# Altium PCB PCB_1.PcbDoc (part 1 of 2)
Units mm, origin at the board's own origin, x right, y up, seen from the top; angles counter-clockwise.
Board outline 160 x 120 mm, 2 copper layers (Top Layer, Bottom Layer), stack 1.671 mm thick; 157 components, 129 nets, 509 pads, 147 vias.
Unrouted connection lines stored in the file: 9.
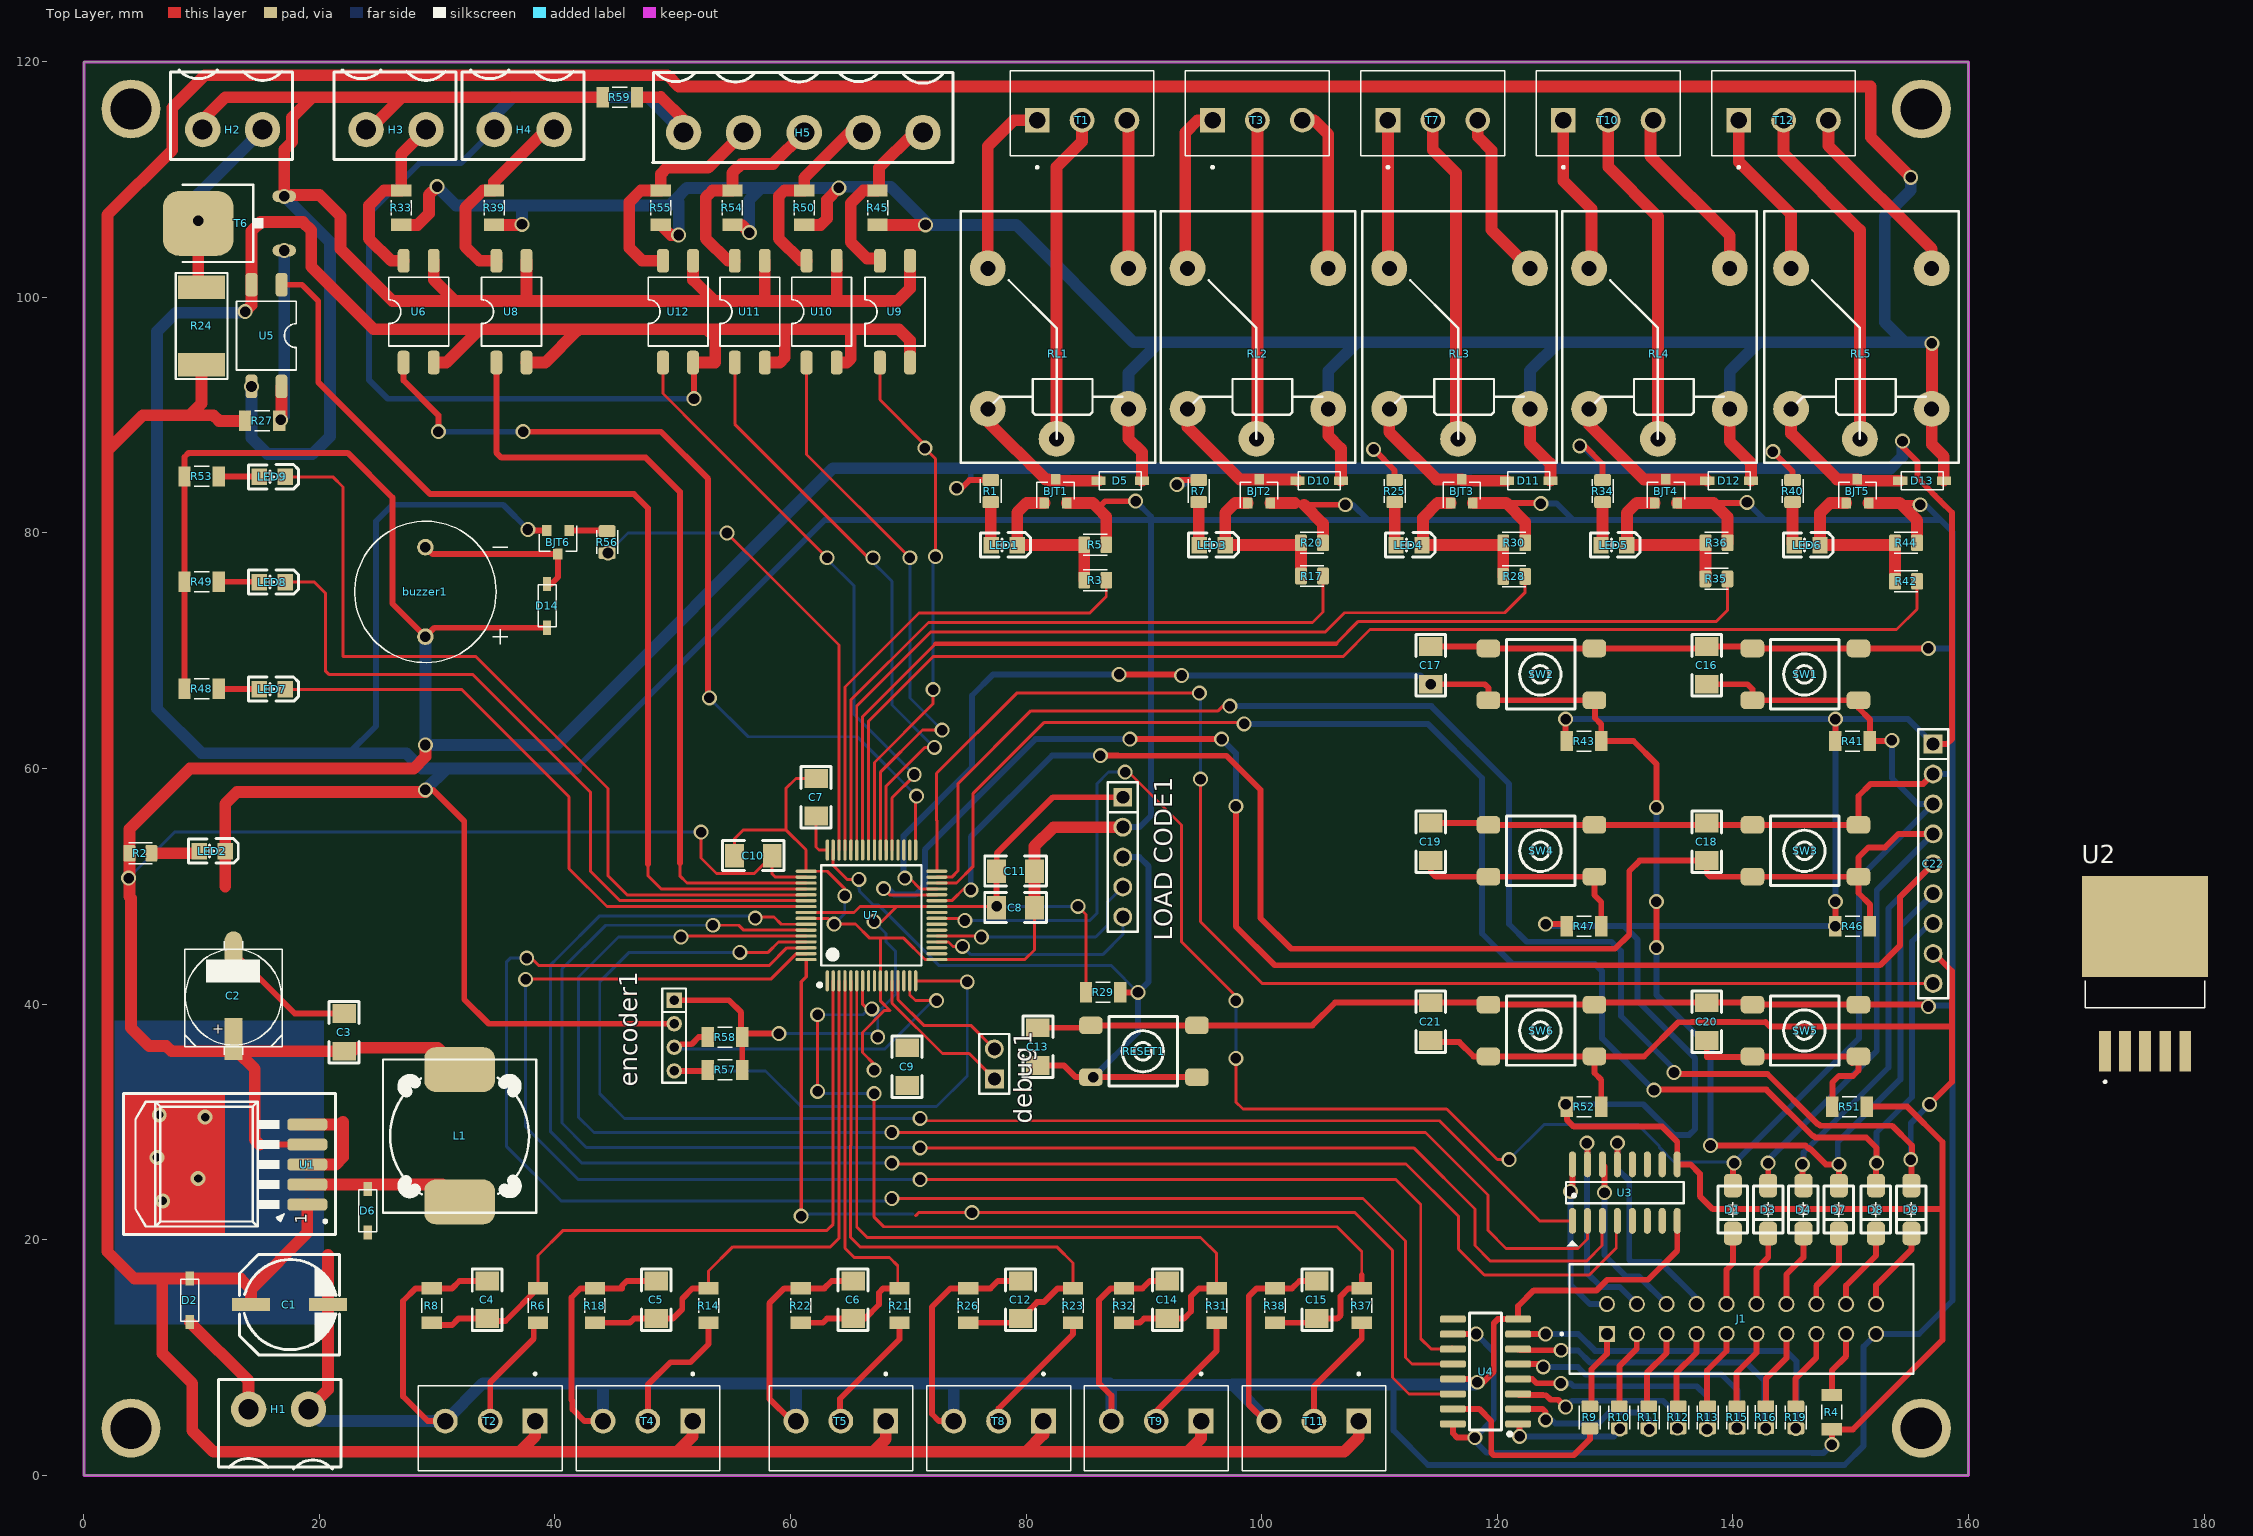
[diagram p0: Top Layer view]
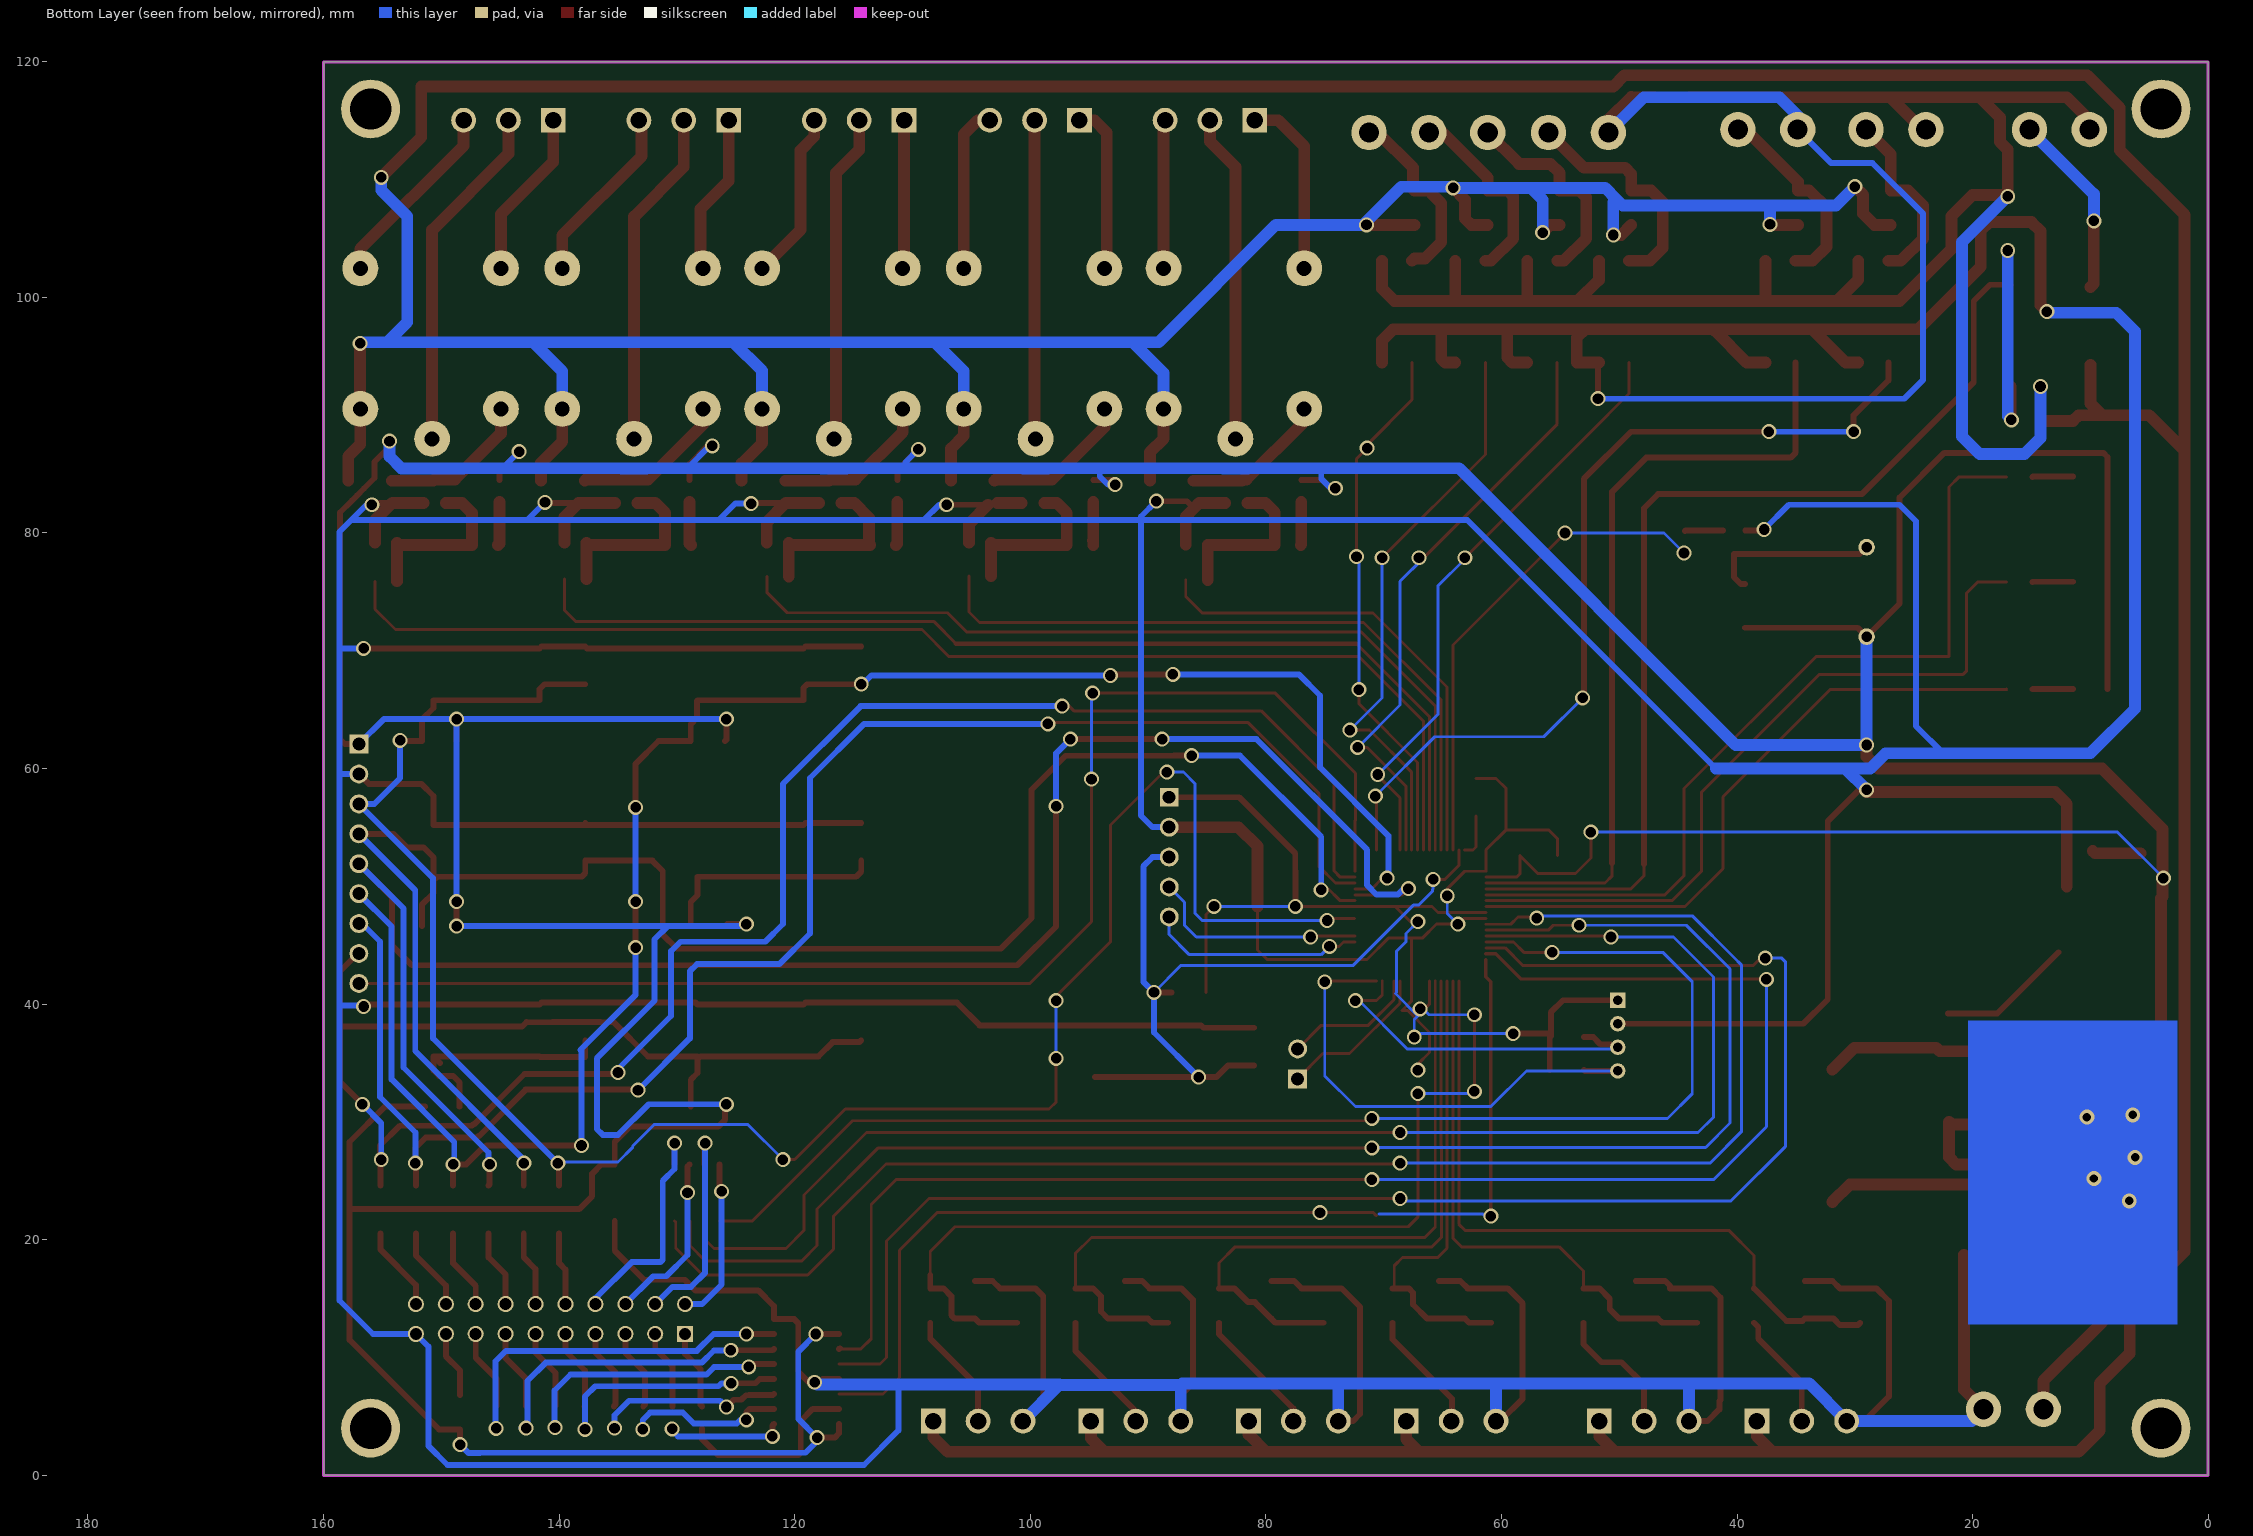
[diagram p1: Bottom Layer view, seen from below]
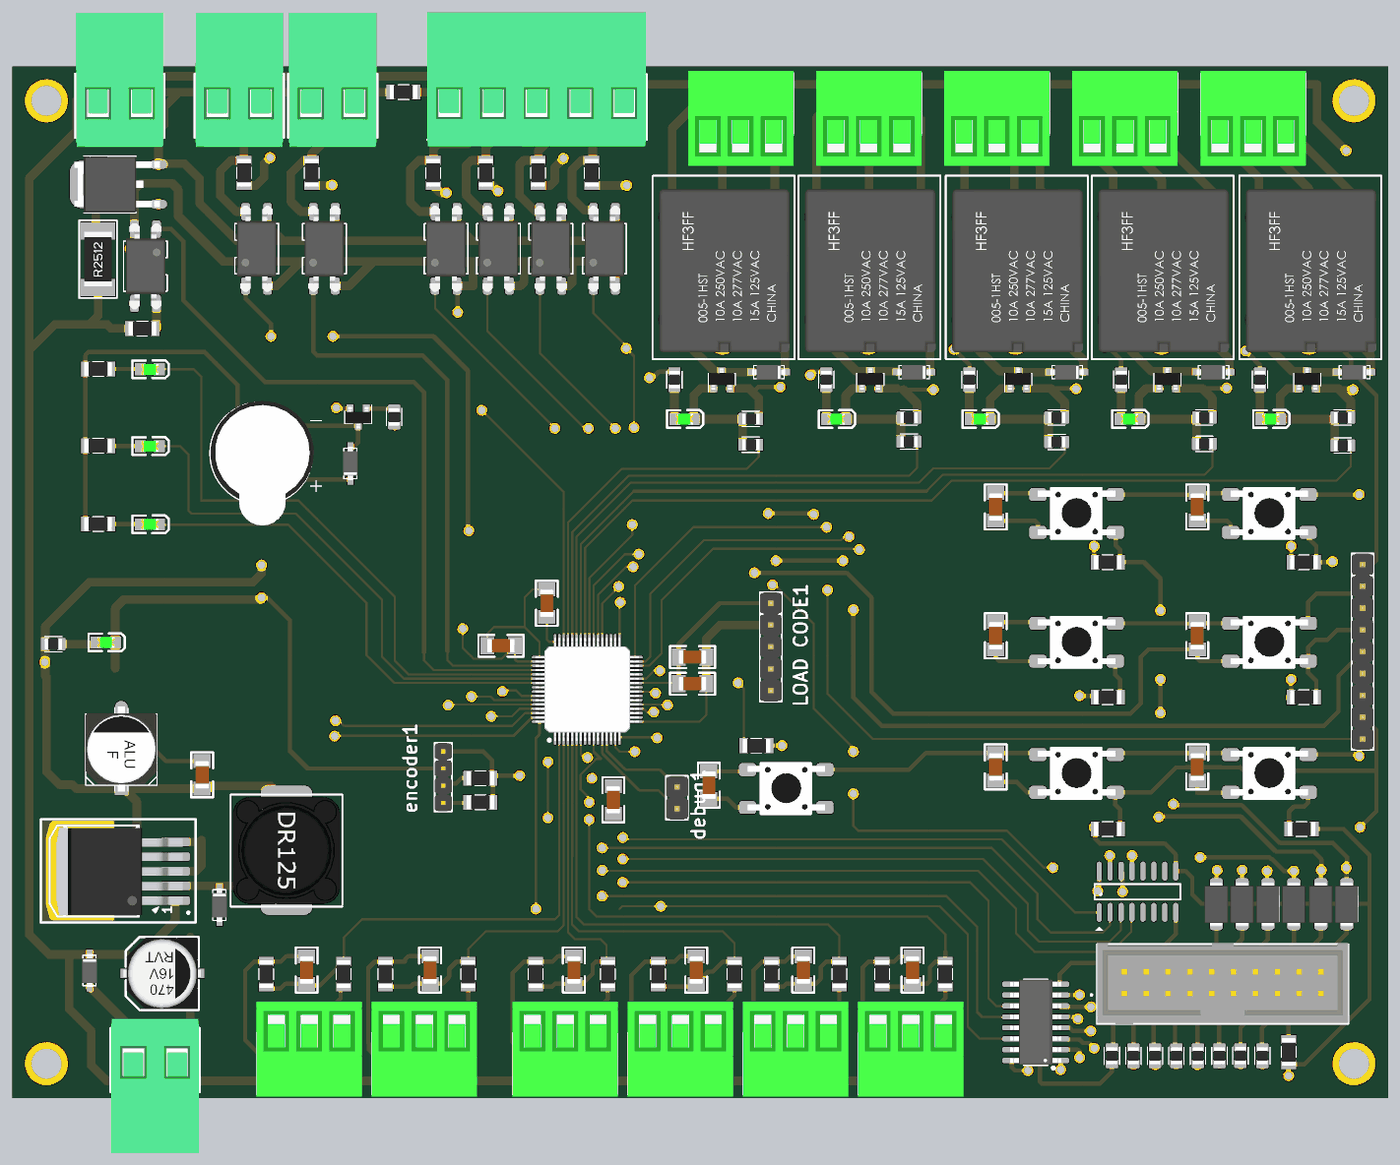
[diagram p3: 3D render of the assembled board from above, using the file's embedded part models]

## Layer stack, top to bottom
Top Solder: solder mask 0.0102, Solder Resist, Dk 3.5
Top Layer: signal copper 0.0356
Dielectric 1: dielectric 1.6, FR-4, Dk 4.8
Bottom Layer: signal copper 0.0356
Bottom Solder: solder mask 0.0102, Solder Resist, Dk 3.5

## Board outline
0,0 0,120 160,120 160,0

## Design rules (kind name [scope] priority, off if disabled: settings)
Clearance [All] p1: gap=0.5
PolygonConnect [All] p1: connectstyle=Relief reliefconductorwidth=0.5 reliefentries=2 polygonreliefangle="90 Angle" airgapwidth=0.5
RoutingVias [All] p1: holewidth=0.9 width=1.27 viastyle="Through Hole" minholewidth=0.8 minwidth=1.27 maxholewidth=1 maxwidth=1.27
SolderMaskExpansion [All] p1: expansion=0.102
Width [All] p1: maxlimit=3 minlimit=0.25 preferedwidth=1
30 further rules are at their usual default settings.

## Components (designator, comment, footprint, x,y, rotation, side; value= is the part's Value field where it differs from the comment)
BJT1 "NPN-SOT23" SOT-23 82.5,83.551 r0 top
BJT2 "NPN-SOT23" SOT-23 99.772,83.551 r0 top
BJT3 "NPN-SOT23" SOT-23 116.98,83.551 r0 top
BJT4 "NPN-SOT23" SOT-23 134.316,83.551 r0 top
BJT5 "NPN-SOT23" SOT-23 150.572,83.551 r0 top
BJT6 "NPN-SOT23" SOT-23 40.247,79.215 r180 top
buzzer1 "buzzer-5V-4-R" "buzzer 5V" 29,75 r180 top
C1 "35V330uF" "CAP POLY 220UF 16V" 17.456,14.484 r180 top
C2 "1000uF/16V" CAP-ALU-SMD-F 12.7,40.6 r90 top
C3 "Cap_SMD" CAP_SMD_1206 22.1,37.6 r270 top
C4 "Cap_SMD" CAP_SMD_1206 34.245,14.894 r270 top
C5 "Cap_SMD" CAP_SMD_1206 48.596,14.894 r270 top
C6 "Cap_SMD" CAP_SMD_1206 65.312,14.894 r270 top
C7 "Cap_SMD" CAP_SMD_1206 62.169,57.566 r90 top
C8 "Cap_SMD" CAP_SMD_1206 79.1,48.2 r0 top
C9 "Cap_SMD" CAP_SMD_1206 69.9,34.7 r270 top
C10 "Cap_SMD" CAP_SMD_1206 56.835,52.613 r180 top
C11 "Cap_SMD" CAP_SMD_1206 79.1,51.3 r0 top
C12 "Cap_SMD" CAP_SMD_1206 79.536,14.894 r270 top
C13 "Cap_SMD" CAP_SMD_1206 81,36.395 r270 top
C14 "Cap_SMD" CAP_SMD_1206 91.982,14.894 r270 top
C15 "Cap_SMD" CAP_SMD_1206 104.682,14.894 r270 top
C16 "Cap_SMD" CAP_SMD_1206 137.782,68.758 r270 top
C17 "Cap_SMD" CAP_SMD_1206 114.351,68.758 r270 top
C18 "Cap_SMD" CAP_SMD_1206 137.782,53.779 r270 top
C19 "Cap_SMD" CAP_SMD_1206 114.351,53.779 r270 top
C20 "Cap_SMD" CAP_SMD_1206 137.782,38.52 r270 top
C21 "Cap_SMD" CAP_SMD_1206 114.351,38.52 r270 top
C22 "JP9" JP9-D1T 157,62.08 r270 top
D1 "1N4007" "Diode M7" 140,22.562 r270 top
D2 "1N4148" SOD-123 15.858,14.635 r270 top
D3 "1N4007" "Diode M7" 143,22.562 r270 top
D4 "1N4007" "Diode M7" 146,22.562 r270 top
D5 "1N4148" SOD-123 87.775,77.576 r180 top
D6 "1N4148" SOD-123 30.958,22.235 r270 top
D7 "1N4007" "Diode M7" 149,22.562 r270 top
D8 "1N4007" "Diode M7" 152.148,22.562 r270 top
D9 "1N4007" "Diode M7" 155.156,22.562 r270 top
D10 "1N4148" SOD-123 104.666,77.576 r180 top
D11 "1N4148" SOD-123 122.446,77.576 r180 top
D12 "1N4148" SOD-123 139.464,77.576 r180 top
D13 "1N4148" SOD-123 155.847,77.576 r180 top
D14 "1N4148" SOD-123 32.472,74.024 r90 top
debug1 "JP2" JP2-D1T 77.3,33.66 r90 top
encoder1 "JP4x1-2.0" J4-D1T 50.119,37.334 r270 top
H1 "Terminal2x5.08" EDG2P508 16.316,4.21 r0 top
H2 "Terminal2x5.08" EDG2P508 12.846,115.645 r180 top
H3 "Terminal2x5.08" EDG2P508 26.721,115.645 r180 top
H4 "Terminal2x5.08" EDG2P508 37.597,115.645 r180 top
H5 "Terminal5x5.08" EDG5P508 61.286,114.373 r180 top
J1 "JTAG 10x2" JTAG 129.3,12 r0 top
L1 "Inductor DR127" "Inductor DR127" 31.9,28.8 r270 top
LED1 "LED_SMD" LED_SMD_0805 78.246,78.979 r0 top
LED2 "LED_SMD" LED_SMD_0805 11,53 r0 top
LED3 "LED_SMD" LED_SMD_0805 95.9,78.979 r0 top
LED4 "LED_SMD" LED_SMD_0805 112.6,78.979 r0 top
LED5 "LED_SMD" LED_SMD_0805 130,78.979 r0 top
LED6 "LED_SMD" LED_SMD_0805 146.4,78.979 r0 top
LED7 "LED_SMD" LED_SMD_0805 16.102,66.737 r0 top
LED8 "LED_SMD" LED_SMD_0805 16.102,75.833 r0 top
LED9 "LED_SMD" LED_SMD_0805 16.102,84.769 r0 top
"LOAD CODE1" "JP5" JP5-D1T 88.204,57.566 r270 top
R1 "Res_SMD" Res_SMD_0805 76.996,83.561 r90 top
R2 "Res_SMD" Res_SMD_0805 4.799,52.803 r180 top
R3 "Res_SMD" Res_SMD_0805 85.868,76 r0 top
R4 "Res_SMD" Res_SMD_1206 148.4,5.36 r90 top
R5 "Res_SMD" Res_SMD_0805 85.868,79 r180 top
R6 "Res_SMD" Res_SMD_1206 38.563,14.412 r90 top
R7 "Res_SMD" Res_SMD_0805 94.649,83.561 r90 top
R8 "Res_SMD" Res_SMD_1206 29.546,14.412 r90 top
R9 "Res_SMD" Res_SMD_0805 127.861,4.92 r270 top
R10 "Res_SMD" Res_SMD_0805 130.359,4.92 r270 top
R11 "Res_SMD" Res_SMD_0805 132.858,4.92 r270 top
R12 "Res_SMD" Res_SMD_0805 135.356,4.92 r270 top
R13 "Res_SMD" Res_SMD_0805 137.854,4.92 r270 top
R14 "Res_SMD" Res_SMD_1206 53.041,14.412 r90 top
R15 "Res_SMD" Res_SMD_0805 140.353,4.92 r270 top
R16 "Res_SMD" Res_SMD_0805 142.8,4.935 r270 top
R17 "Res_SMD" Res_SMD_0805 104.265,76.348 r0 top
R18 "Res_SMD" Res_SMD_1206 43.389,14.412 r90 top
R19 "Res_SMD" Res_SMD_0805 145.35,4.92 r270 top
R20 "Res_SMD" Res_SMD_0805 104.265,79.164 r180 top
R21 "Res_SMD" Res_SMD_1206 69.249,14.412 r90 top
R22 "Res_SMD" Res_SMD_1206 60.867,14.412 r90 top
R23 "Res_SMD" Res_SMD_1206 83.981,14.412 r90 top
R24 "Res_SMD" RES_SMD_2512 10,97.579 r90 top
R25 "Res_SMD" Res_SMD_0805 111.286,83.561 r90 top
R26 "Res_SMD" Res_SMD_1206 75.091,14.412 r90 top
R27 "Res_SMD" Res_SMD_1206 15.144,89.52 r180 top
R28 "Res_SMD" Res_SMD_0805 121.434,76.312 r0 top
R29 "Res_SMD" Res_SMD_1206 86.54,41 r0 top
R30 "Res_SMD" Res_SMD_0805 121.434,79.164 r180 top
R31 "Res_SMD" Res_SMD_1206 96.173,14.412 r90 top
R32 "Res_SMD" Res_SMD_1206 88.299,14.412 r90 top
R33 "Res_SMD" Res_SMD_1206 26.953,107.617 r270 top
R34 "Res_SMD" Res_SMD_0805 128.939,83.561 r90 top
R35 "Res_SMD" Res_SMD_0805 138.6,76.1 r0 top
R36 "Res_SMD" Res_SMD_0805 138.617,79.164 r180 top
R37 "Res_SMD" Res_SMD_1206 108.492,14.412 r90 top
R38 "Res_SMD" Res_SMD_1206 101.126,14.412 r90 top
R39 "Res_SMD" Res_SMD_1206 34.827,107.617 r270 top
R40 "Res_SMD" Res_SMD_0805 145.068,83.561 r90 top
R41 "Res_SMD" Res_SMD_1206 150.165,62.336 r0 top
R42 "Res_SMD" Res_SMD_0805 154.7,75.9 r0 top
R43 "Res_SMD" Res_SMD_1206 127.369,62.336 r0 top
R44 "Res_SMD" Res_SMD_0805 154.7,79.164 r180 top
R45 "Res_SMD" Res_SMD_1206 67.386,107.617 r270 top
R46 "Res_SMD" Res_SMD_1206 150.165,46.62 r0 top
R47 "Res_SMD" Res_SMD_1206 127.369,46.62 r0 top
R48 "Res_SMD" Res_SMD_1206 10.006,66.77 r0 top
R49 "Res_SMD" Res_SMD_1206 10.006,75.866 r0 top
R50 "Res_SMD" Res_SMD_1206 61.163,107.617 r270 top
R51 "Res_SMD" Res_SMD_1206 149.904,31.285 r180 top
R52 "Res_SMD" Res_SMD_1206 127.369,31.285 r0 top
R53 "Res_SMD" Res_SMD_1206 10.006,84.802 r0 top
R54 "Res_SMD" Res_SMD_1206 55.067,107.617 r270 top
R55 "Res_SMD" Res_SMD_1206 48.971,107.617 r270 top
R56 "Res_SMD" Res_SMD_0805 44.422,79.225 r270 top
R57 "Res_SMD" Res_SMD_1206 54.437,34.413 r0 top
R58 "Res_SMD" Res_SMD_1206 54.437,37.207 r0 top
R59 "Res_SMD" Res_SMD_1206 45.5,117 r0 top
RESET1 "Button6x6" Button6x6smd 90,36 r0 top
RL1 "ReLay12V" "Relay 12V" 82.711,96.632 r0 top
RL2 "ReLay12V" "Relay 12V" 99.678,96.632 r0 top
RL3 "ReLay12V" "Relay 12V" 116.798,96.632 r0 top
RL4 "ReLay12V" "Relay 12V" 133.765,96.632 r0 top
RL5 "ReLay12V" "Relay 12V" 150.91,96.632 r0 top
SW1 "Button6x6" Button6x6smd 146.164,68 r0 top
SW2 "Button6x6" Button6x6smd 123.749,68 r0 top
SW3 "Button6x6" Button6x6smd 146.164,53.021 r0 top
SW4 "Button6x6" Button6x6smd 123.749,53.021 r0 top
SW5 "Button6x6" Button6x6smd 146.164,37.762 r0 top
SW6 "Button6x6" Button6x6smd 123.749,37.762 r0 top
T1 "Terminal B 3P" Terminal-3p-381 84.743,115.087 r0 top
T2 "Terminal B 3P" Terminal-3p-381 34.504,4.567 r180 top
T3 "Terminal B 3P" Terminal-3p-381 99.632,115.087 r0 top
T4 "Terminal B 3P" Terminal-3p-381 47.89,4.567 r180 top
T5 "Terminal B 3P" Terminal-3p-381 64.276,4.567 r180 top
T6 "TIP41C" TO252 9.715,106.284 r90 top
T7 "Terminal B 3P" Terminal-3p-381 114.522,115.087 r0 top
T8 "Terminal B 3P" Terminal-3p-381 77.661,4.567 r180 top
T9 "Terminal B 3P" Terminal-3p-381 91.047,4.567 r180 top
T10 "Terminal B 3P" Terminal-3p-381 129.411,115.087 r0 top
T11 "Terminal B 3P" Terminal-3p-381 104.433,4.567 r180 top
T12 "Terminal B 3P" Terminal-3p-381 144.301,115.087 r0 top
U1 "LM2576" TO263 13,26 r90 top
U2 "LM2576" LM2576-5.0 175,46.6 r90 top
U3 "ULN2003A" SO-16 130.829,24 r90 top
U4 "74HC595" Sop16pin 119,8.622 r180 top
U5 "PC817" PC817 15.768,96.759 r270 top
U6 "PC817" PC817 28.165,98.791 r90 top
U7 "CY8C4247" TQFP64 66.868,47.533 r90 top
U8 "PC817" PC817 36.039,98.791 r90 top
U9 "PC817" PC817 68.598,98.791 r90 top
U10 "PC817" PC817 62.375,98.791 r90 top
U11 "PC817" PC817 56.279,98.791 r90 top
U12 "PC817" PC817 50.183,98.791 r90 top

## Footprints (in the part's own frame and the unit in brackets; to place one, negate y for a bottom-side part, rotate by r counter-clockwise, add the part's x,y. Pads: shape width x height; smd on the part's side, far side on the other; paste and mask are expansions set on the pad)
Button6x6smd [mm] "key smd"
  rrect50% 2x1.5 smd: 1(4.5,-2.2) 2(-4.5,-2.2) 3(4.5,2.2) 4(-4.5,2.2)
  Top Layer pour cut-out: -6,3.5 6,3.5 6,-3.5 -6,-3.5
  silkscreen extent -2.95,-2.95 2.85,2.95, body extent -4.5,-2.95 4.5,3.05, height 4.3
"buzzer 5V" [mm] "buzzer-AI-1223-TWT-5V-4-R"
  round 1.408 hole 0.9: N(0,-3.8) P(0,3.8)
  silkscreen extent -6.98,-6 6,6, body extent -6.1,-6.11 5.9,8.39, height 10.05
"CAP POLY 220UF 16V" [mm] "CAPACITOR POLYMER 220UF 16V 8X9MM SMD"
  rect 3.2x1.1 smd: 1(3.264,-0.013) 2(-3.264,-0.013)
  silkscreen extent -4.23,-4.25 4.24,4.25, body extent -4.5,-4.15 4.5,4.15, height 10.7
CAP-ALU-SMD-F [mil]
  rect 140x59.06 smd: 1(-140,0)
  oval 140x59.06 smd: 2(150,0)
  silkscreen extent -192,-163 187,163, body extent -195,-163 195,163, height 402
CAP_SMD_1206 [mm] "cap smd 1206"
  rect 1.6x2 smd: 1(-1.605,0) 2(1.595,0)
  Top Layer pour cut-out: -0.8,0.9 0.8,0.9 0.8,-0.9 -0.8,-0.9
  silkscreen extent -2.62,-1.27 2.62,1.27, body extent -1.6,-0.8 1.6,0.8, height 1.22
"Diode M7" [mil] "diode reflectifer"
  rrect50% 78.74x60 smd: 1(-80,0) 2(80,0)
  Top Layer pour cut-out: -39.37,27.56 -39.37,-27.56 39.37,-27.56 39.37,27.56
  silkscreen extent -78,-50 79,49, body extent -101,-54 104,53, height 106
EDG2P508 [mm] "edg 2 pins 5.08mm"
  round 3 hole 1.7: 1(-2.327,1.397) 2(2.753,1.397)
  silkscreen extent -4.87,-3.68 5.5,3.94, body extent -4.76,-10.6 5.4,5, height 21.08
EDG5P508 [mm] "edg 5pins 5.08mm"
  round 3 hole 1.7: 1(-9.954,0.373) 2(-4.874,0.373) 3(0.125,0.373) 4(5.286,0.373) 5(10.366,0.373)
  silkscreen extent -12.49,-4.71 13,2.91, body extent -12.4,-11.9 13,3.71, height 21.08
"Inductor DR127" [mm] "Ind 12.5x12.5 mm"
  rrect50% 3.8x6 smd: 1(-5.646,0.006) 2(5.588,0)
  Top Layer pour cut-out: -7.6,3.1 -7.6,-3.1 7.7,-3.1 7.7,2.9 7.5,3.1
  silkscreen extent -6.5,-6.5 6.53,6.5, body extent -6.25,-6.25 6.25,6.25, height 8
J4-D1T [mm] "4 pins, 1 row, straight, gold plating"
  rect 1.3x1.3 hole 0.8: 1(-3,0)
  round 1.3 hole 0.8: 2(-1,0) 3(1,0) 4(3,0)
  silkscreen extent -4,-1 4,1, body extent -4,-1 4,1, height 6.01
JP2-D1T [mm] "2 pins, 1 row, straight, gold plating"
  rect 1.6x1.6 hole 1.1: 1(0,0)
  round 1.6 hole 1.1: 2(2.54,0)
  silkscreen extent -1.27,-1.27 3.81,1.27, body extent -1.27,-1.27 3.81,1.27, height 8.54
JP5-D1T [mm] "5 pins, 1 row, straight, gold plating"
  rect 1.6x1.6 hole 1.1: 1(0,0)
  round 1.6 hole 1.1: 2(2.54,0) 3(5.08,0) 4(7.62,0) 5(10.16,0)
  silkscreen extent -1.27,-1.27 11.43,1.27, body extent -1.27,-1.27 11.43,1.27, height 8.54
JP9-D1T [mm] "9 pins, 1 row, straight, gold plating"
  rect 1.6x1.6 hole 1.1: 1(0,0)
  round 1.6 hole 1.1: 2(2.54,0) 3(5.08,0) 4(7.62,0) 5(10.16,0) 6(12.7,0) 7(15.24,0) 8(17.78,0) 9(20.32,0)
  silkscreen extent -1.27,-1.27 21.59,1.27, body extent -1.27,-1.27 21.59,1.27, height 8.54
JTAG [mm] "JTAG 10x2"
  rect 1.37x1.37 hole 1.02: 01(0,0)
  round 1.37 hole 1.02: 02(0,2.54) 03(2.54,0) 04(2.54,2.54) 05(5.08,0) 06(5.08,2.54) 07(7.62,0) 08(7.62,2.54) 09(10.16,0) 10(10.16,2.54) 11(12.7,0) 12(12.7,2.54) 13(15.24,0) 14(15.24,2.54) 15(17.78,0) 16(17.78,2.54) 17(20.32,0) 18(20.32,2.54) 19(22.86,0) 20(22.86,2.54)
  silkscreen extent -3.92,-3.36 26.04,5.9, body extent -3.17,-3.43 26.04,6.05, height 8.89
LED_SMD_0805 [mm] "led smd 0805"
  rect 1.3x1.4 smd: 1(-1.2,0) 2(1,0)
  Top Layer pour cut-out: 0.4,-0.7 -0.6,-0.7 -0.6,0.7 0.4,0.7
  silkscreen extent -2.11,-1.01 2.11,1.04, body extent -1.09,-0.63 0.91,0.62, height 1.1
LM2576-5.0 [mm] "IC buck 5.0 Volt"
  rect 3.4x1 smd paste-3 mask+0: 1(-10.6,3.4) 2(-10.6,1.7) 3(-10.6,0) 4(-10.6,-1.7) 5(-10.6,-3.4)
  rect 8.6x10.7 smd paste-6 mask+0: 6(0,0)
  Top Layer pour cut-out: -12.3,3.9 3.8,3.9 3.9,3.8 3.9,-3.8 -12.3,-3.8
  silkscreen extent -13.3,-5.08 -4.62,5.08, body extent -10.94,-5.21 3.43,5.21, height 4.65
PC817 [mm] "IC OPTO isolation"
  rrect50% 2x1 smd: 1(-4.318,1.016) 2(-4.318,-1.537) 3(4.318,-1.537) 4(4.318,1.016)
  Top Layer pour cut-out: -5.4,1.6 5.4,1.6 5.4,-2.1 -5.4,-2.1
  silkscreen extent -2.92,-2.81 2.92,2.27, body extent -5,-2.54 5,2.04, height 3.85
"Relay 12V" [mil] "Relay 5 pins 12V"
  round 120 hole 50: 1(-5,-340) 2(235,230) 3(-235,230) 4(-235,-240) 5(235,-240)
  silkscreen extent -325,-420 325,420, body extent -295,-390 303,358, height 591
Res_SMD_0805 [mm] "res smd 0805"
  rrect25% 1x1.42 smd: 1(-0.935,0) 2(0.935,0)
  Top Layer pour cut-out: -0.4,0.7 0.4,0.7 0.4,-0.7 -0.4,-0.7
  silkscreen extent -1,-0.89 1,0.89, body extent -1,-0.62 1,0.63, height 0.6
Res_SMD_1206 [mm] "res smd 1206"
  rect 1.05x1.72 smd: 1(-1.46,0) 2(1.46,0)
  Top Layer pour cut-out: -0.9,0.8 0.9,0.8 0.9,-0.8 -0.9,-0.8
  silkscreen extent -0.62,-0.85 0.62,0.85, body extent -1.6,-0.8 1.6,0.8, height 0.6
RES_SMD_2512 [mm] "Resistor 2512 SMD"
  rect 2x4 smd: 1(-3.302,0) 2(3.302,0)
  silkscreen extent -4.5,-2.2 4.5,2.2, body extent -3.17,-1.6 3.18,1.6, height 0.55
SO-16 [mm] "SOIC, 16-Leads, Body 9.9x3.9mm, Pitch 1.27mm, IPC Medium Density"
  oval 2.2x0.6 smd: 1(-2.4,4.445) 2(-2.4,3.175) 3(-2.4,1.905) 4(-2.4,0.635) 5(-2.4,-0.635) 6(-2.4,-1.905) 7(-2.4,-3.175) 8(-2.4,-4.445) 9(2.4,-4.445) 10(2.4,-3.175) 11(2.4,-1.905) 12(2.4,-0.635) 13(2.4,0.635) 14(2.4,1.905) 15(2.4,3.175) 16(2.4,4.445)
  silkscreen extent -4.57,-5 0.9,5
SOD-123 [mm]
  rect 1.2x0.7 smd: 1(1.635,-6.858) 2(-2.065,-6.858)
  silkscreen extent -1.99,-7.62 1.56,-6.1, body extent -2.13,-7.7 1.73,-6, height 1.36
Sop16pin [mm] "sop16pins smd"
  rrect50% 2.198x0.6 smd: 1(-2.769,4.255) 2(-2.769,2.985) 3(-2.769,1.715) 4(-2.769,0.445) 5(-2.769,-0.825) 6(-2.769,-2.095) 7(-2.769,-3.365) 8(-2.769,-4.635) 9(2.769,-4.635) 10(2.769,-3.365) 11(2.769,-2.095) 12(2.769,-0.825) 13(2.769,0.445) 14(2.769,1.715) 15(2.769,2.985) 16(2.769,4.255)
  Top Layer pour cut-out: -3.9,4.6 3.9,4.6 3.9,-5 -3.9,-5
  silkscreen extent -2.2,-5.14 1.35,5.27, body extent -2.99,-5.15 2.99,4.75, height 1.35
SOT-23 [mm] "BIJ-SOT23"
  rect 0.8x0.9 smd: 1(-0.95,-1) 2(0.95,-1) 3(0,1)
  Top Layer pour cut-out: -1.3,1.4 -1.3,-1.3 1.3,-1.3 1.3,1.4
  silkscreen extent -1.58,-1.4 1.58,0.76, body extent -1.51,-1.17 1.49,1.33, height 1.05
Terminal-3p-381 [mm] "terminal 3 pins 3.81"
  rect 2.1x2.1 hole 1.4: 1(-3.805,-0.04)
  round 2.1 hole 1.4: 2(0.005,-0.04) 3(3.815,-0.04)
  silkscreen extent -6.1,-4.14 6.1,4.16, body extent -6.16,-6.62 6.1,4.41, height 18.35
TO252 [mm] "PIN TO252"
  oval 1x2 smd: 1(-2.3,-7.3) 3(2.3,-7.3)
  rrect50% 5.5x6 smd: 2(0,0)
  Top Layer pour cut-out: -2.7,-0.7 -2.7,-8.1 2.7,-8.1 2.7,-0.7
  silkscreen extent -3.28,-5.52 3.28,1.34, body extent -3.27,-7.45 3.27,2.46, height 2.55
TO263 [mm]
  rrect50% 1x3.4 smd: 1(-3.019,-5.969) 2(-1.319,-5.969) 4(2.081,-5.969) 5(3.781,-5.969)
  rrect50% 1x3.4 smd mask+0: 3(0.381,-5.969)
  Top Layer region: -5.568,1.016 6.432,1.016 6.432,9.65 -5.568,9.65
  silkscreen extent -5.57,-8.35 6.43,9.65, body extent -4.73,-6.84 5.43,7.8, height 4.57
TQFP64 [mm] "TQFP 64 pins"
  oval 1.796x0.28 smd: 1(-5.55,3.75) 2(-5.55,3.25) 3(-5.55,2.75) 4(-5.55,2.25) 5(-5.55,1.75) 6(-5.55,1.25) 7(-5.55,0.75) 8(-5.55,0.25) 9(-5.55,-0.25) 10(-5.55,-0.75) 11(-5.55,-1.25) 12(-5.55,-1.75) 13(-5.55,-2.25) 14(-5.55,-2.75) 15(-5.55,-3.25) 16(-5.55,-3.75) 33(5.55,-3.75) 34(5.55,-3.25) 35(5.55,-2.75) 36(5.55,-2.25) 37(5.55,-1.75) 38(5.55,-1.25) 39(5.55,-0.75) 40(5.55,-0.25) 41(5.55,0.25) 42(5.55,0.75) 43(5.55,1.25) 44(5.55,1.75) 45(5.55,2.25) 46(5.55,2.75) 47(5.55,3.25) 48(5.55,3.75)
  oval 0.28x1.796 smd: 17(-3.75,-5.55) 18(-3.25,-5.55) 19(-2.75,-5.55) 20(-2.25,-5.55) 21(-1.75,-5.55) 22(-1.25,-5.55) 23(-0.75,-5.55) 24(-0.25,-5.55) 25(0.25,-5.55) 26(0.75,-5.55) 27(1.25,-5.55) 28(1.75,-5.55) 29(2.25,-5.55) 30(2.75,-5.55) 31(3.25,-5.55) 32(3.75,-5.55) 49(3.75,5.55) 50(3.25,5.55) 51(2.75,5.55) 52(2.25,5.55) 53(1.75,5.55) 54(1.25,5.55) 55(0.75,5.55) 56(0.25,5.55) 57(-0.25,5.55) 58(-0.75,5.55) 59(-1.25,5.55) 60(-1.75,5.55) 61(-2.25,5.55) 62(-2.75,5.55) 63(-3.25,5.55) 64(-3.75,5.55)
  Top Layer pour cut-out: 4,-4.6 4,-6.5 -4,-6.5 -4,-4.6
  Top Layer pour cut-out: 4.6,4 6.5,4 6.5,-4 4.6,-4
  Top Layer pour cut-out: -4,6.5 4,6.5 4,4.6 -4,4.6
  Top Layer pour cut-out: -6.5,4 -4.6,4 -4.6,-4 -6.5,-4
  silkscreen extent -6.05,-4.25 4.25,4.55, body extent -6,-6 6,6, height 1.53

## Part data
BJT1 BJT2 BJT3 BJT4 BJT5 BJT6: "TRansistor NPN sot23"
buzzer1: "buzzer-5V-4-R-2300 HZ"
C1: library part "Cap Pol1", "Polarized Capacitor (Radial)"
C2: library part CP4, "Cap 1000uF/16V - 220uF/50V"
C3 C4 C5 C6 C7 C8 C9 C10 C11 C12 C13 C14 C15 C16 C17 C18 C19 C20 C21: "Cap SMD multiple types as 0402 0603 0805 1206"
C22 debug1 "LOAD CODE1": "WR-PHD 2.54 mm Angled Socket Header"
D1 D3 D4 D7 D8 D9: "diode SMD M7"
D2 D5 D6 D10 D11 D12 D13 D14: "Diode Fast Switching"
encoder1: "WR-PHD 2.00 mm Socket Header"
H1 H2 H3 H4: "terminal 5.08mm x2 pins"
H5: "terminal edg 5.08mm 5 pins"
J1: "Connector Header Through Hole 20 position 0.100 (2.54mm)"
L1: "Inductor SMD DR127 - 12.5mm"
LED1 LED2 LED3 LED4 LED5 LED6 LED7 LED8 LED9: "LED SMD 0603 0805 1206"
R1 R2 R3 R4 R5 R6 R7 R8 R9 R10 R11 R12 R13 R14 R15 R16 R17 R18 R19 R20 R21 R22 R23 R24 R25 R26 R27 R28 R29 R30 R31 R32 R33 R34 R35 R36 R37 R38 R39 R40 R41 R42 R43 R44 R45 R46 R47 R48 R49 R50 R51 R52 R53 R54 R55 R56 R57 R58 R59: "res smd"
RESET1 SW1 SW2 SW3 SW4 SW5 SW6: "button 6x6 mm"
RL1 RL2 RL3 RL4 RL5: "Relay 12V 5Pins"
T1 T2 T3 T4 T5 T7 T8 T9 T10 T11 T12: "Terminal Block 3 pins"
T6: "Transistor NPN"
U2: "IC Buck 5Volt"
U3: "High-Voltage, High-Current Darlington Array"
U4: library part 74595, "8 Bit Serial input - Parallel Output"
U5 U6 U8 U9 U10 U11 U12: "IC opto"
U7: "Psoc Cy8c4247 64 pins"

## Free pads (board coordinates)
  round 5 hole 3.5: 0(4,4) 0(4,116) 0(156,4) 0(156,116)

## Via types
v1: diameter 1.27, hole 0.9, Top Layer to Bottom Layer, 142 vias
v2: diameter 1.27, hole 0.711, Top Layer to Bottom Layer, 5 vias

## Nets (pads, with @x,y where several pads share a name; then routed paths per layer and width w, separated by ;. In a path a pad name is that pad's centre, name@x,y a point inside that pad or via, vN(x,y) a via of type N, cw(c..) or ccw(c..) an arc to the next point about the centre after c; other vN are vias at no path point)
24V: C1.1 D2.2 D5.2 D10.2 D11.2 D12.2 D13.2 R24.1 R27.2 R33.2 R39.2 R45.2 R50.2 R54.2 R55.2 RL1.5 RL2.5 RL3.5 RL4.5 RL5.5 T2.1 T4.1 T5.1 T8.1 T9.1 T11.1 U1.1 | length 672.1
  Top Layer w1: R24.1@10,94.277 10,91 9,90 ; R27.2@13.684,89.52 11.48,89.52 11,90 9,90 ; C1.1@14.192,14.497 14.192,15.808 ; U1.1@18.969,22.981 18.969,20.585 14.192,15.808 ; R33.2@26.953,106.157 28.357,106.157 29.3,107.1 29.3,108.7 v1(30,109.4) ; R39.2@34.827,106.157 37.157,106.157 v1(37.2,106.2) ; T2.1@38.309,4.607 38.309,3.309 37,2 ; R55.2@48.971,106.157 49.828,105.3 v1(50.5,105.3) ; T4.1@51.695,4.607 51.695,3.305 50.39,2 ; R54.2@55.067,106.157 55.843,106.157 v1(56.5,105.5) ; R50.2@61.163,106.157 62.557,106.157 63.1,106.7 63.1,108.3 v1(64.1,109.3) ; R45.2@67.386,106.157 v1(71.457,106.157) ; T5.1@68.081,4.607 68.081,3.081 67,2 ; T8.1@81.466,4.607 81.466,3.466 80,2 ; RL1.5@88.68,90.536 88.68,88.02 89.84,86.86 D5.2@89.84,84.434 ; T9.1@94.852,4.607 94.852,3.148 93.704,2 ; RL2.5@105.647,90.536 105.647,88.253 106.731,87.169 D10.2@106.731,84.434 ; T11.1@108.238,4.607 108.238,3.238 107,2 93.704,2 ; RL3.5@122.767,90.536 122.767,87.633 124.511,85.889 D11.2@124.511,84.434 ; RL4.5@139.734,90.536 139.734,87.766 141.529,85.971 D12.2@141.529,84.434 ; v1(155.1,110.2) 151.7,113.6 151.7,117.9 50.514,117.9 49.554,118.86 10.26,118.86 7.5,116.1 7.5,112.5 2,107 2,87 ; v1(156.9,96.1) 156.9,90.557 RL5.5@156.879,90.536 156.879,87.521 157.9,86.5 157.9,84.446 D13.2@157.912,84.434 ; 2,87 5,90 9,90 ; 2,87 2,19 4.3,16.7 6.65,16.7 ; 6.65,16.7 6.65,10.35 9.2,7.8 9.2,3.8 11,2 37,2 ; 6.65,16.7 D2.2@9,16.7 13.3,16.7 14.192,15.808 ; 37,2 50.39,2 ; 50.39,2 67,2 ; 67,2 80,2 ; 80,2 93.704,2
  Bottom Layer w1: v1(30,109.4) 31.6,107.8 37.3,107.8 ; v1(37.2,106.2) 37.2,107.7 37.3,107.8 ; v1(50.5,105.3) 50.5,108.1 50.25,108.35 ; v1(56.5,105.5) 56.5,108.3 57.5,109.3 ; RL1.5@88.68,90.536 88.68,93.58 91.3,96.2 ; RL2.5@105.647,90.536 105.647,93.753 108.095,96.2 ; RL3.5@122.767,90.536 122.767,93.767 125.2,96.2 ; RL4.5@139.734,90.536 139.734,93.734 142.2,96.2 ; v1(155.1,110.2) 155.1,109.1 152.9,106.9 152.9,97.9 154.6,96.2 ; v1(156.9,96.1) 156.8,96.2 154.6,96.2 ; 37.3,107.8 49.7,107.8 50.25,108.35 ; 50.25,108.35 51.2,109.3 57.5,109.3 ; 57.5,109.3 v1(64.1,109.3) 64.1,109.4 68.5,109.4 71.457,106.443 v1(71.457,106.157) 79.143,106.157 89.1,96.2 91.3,96.2 ; 91.3,96.2 108.095,96.2 ; 108.095,96.2 125.2,96.2 ; 125.2,96.2 142.2,96.2 ; 142.2,96.2 154.6,96.2
+5_BUT: J1.17 R4.2 | length 5.7
  Top Layer w0.5: R4.2@148.4,6.82 148.4,8.9 149.62,10.12 J1.17@149.62,12
ANA_IN_1: R6.1 T2.2 | length 10
  Top Layer w0.5: T2.2@34.499,4.607 34.499,7.899 38.2,11.6 38.2,12.589 R6.1@38.563,12.952
ANA_IN_2: R14.1 T4.2 | length 11.5
  Top Layer w0.5: T4.2@47.885,4.607 47.885,7.685 49.8,9.6 51.5,9.6 53.041,11.141 R14.1@53.041,12.952
ANA_IN_3: R21.1 T5.2 | length 10.5
  Top Layer w0.5: T5.2@64.271,4.607 64.2,4.678 64.2,6.5 69.249,11.549 R21.1@69.249,12.952
ANA_IN_4: R23.1 T8.2 | length 11
  Top Layer w0.5: T8.2@77.656,4.607 77.656,5.656 83.981,11.981 R23.1@83.981,12.952
ANA_IN_5: R31.1 T9.2 | length 10.5
  Top Layer w0.5: T9.2@91.042,4.607 91.042,5.442 96.173,10.573 R31.1@96.173,12.952
ANA_IN_6: R37.1 T11.2 | length 10
  Top Layer w0.5: T11.2@104.428,4.607 104.428,7.528 108.492,11.592 R37.1@108.492,12.952
ANALOG_1: C4.2 R6.2 R8.1 U7.2 | length 60.2
  Top Layer w0.25: R6.2@38.563,15.872 38.563,18.663 40.7,20.8 63.1,20.8 63.618,21.318 U7.2@63.618,41.983
  Top Layer w0.5: R8.1@29.546,12.952 29.746,12.752 31.252,12.752 31.799,13.299 C4.2@34.245,13.299 34.445,13.099 35.79,13.099 R6.2@38.563,15.872
ANALOG_2: C5.2 R14.2 R18.1 U7.3 | length 47
  Top Layer w0.25: R14.2@53.041,15.872 53.041,17.341 55.1,19.4 63.4,19.4 64.118,20.118 U7.3@64.118,41.983
  Top Layer w0.5: R18.1@43.389,12.952 46.352,12.952 46.699,13.299 C5.2@48.596,13.299 49.999,13.299 50.8,14.1 50.8,15 51.672,15.872 R14.2@53.041,15.872
ANALOG_3: C6.2 R21.2 R22.1 U7.4 | length 40
  Top Layer w0.25: U7.4@64.618,41.983 64.618,19.282 65.4,18.5 68.4,18.5 69.1,17.8 69.1,16.021 R21.2@69.249,15.872
  Top Layer w0.5: R22.1@60.867,12.952 62.752,12.952 63.099,13.299 C6.2@65.312,13.299 66.299,13.299 67.5,14.5 67.5,15.5 67.872,15.872 R21.2@69.249,15.872
ANALOG_4: C12.2 R23.2 R26.1 U7.5 | length 53.8
  Top Layer w0.25: U7.5@65.118,41.983 65.118,28 65.1,28 65.1,20.2 65.9,19.4 82.6,19.4 83.981,18.019 R23.2@83.981,15.872
  Top Layer w0.5: R26.1@75.091,12.952 79.189,12.952 C12.2@79.536,13.299 80.937,14.7 81.5,14.7 82.672,15.872 R23.2@83.981,15.872
ANALOG_5: C14.2 R31.2 R32.1 U7.6 | length 65.2
  Top Layer w0.25: U7.6@65.618,41.983 65.618,21.082 66.5,20.2 94.8,20.2 96.173,18.827 R31.2@96.173,15.872
  Top Layer w0.5: R32.1@88.299,12.952 89.652,12.952 89.999,13.299 C14.2@91.982,13.299 93.399,13.299 94,13.9 94,15.2 94.672,15.872 R31.2@96.173,15.872
ANALOG_6: C15.2 R37.2 R38.1 U7.7 | length 85.4
  Top Layer w0.25: v1(62.3,32.6) 62.3,38.7 62.5,38.9 v1(62.3,39.1) ; U7.7@66.118,41.983 66.118,39.982 66.7,39.4 v1(66.9,39.6) ; v1(67.1,32.4) 67.1,21.918 67.918,21.1 106.4,21.1 108.492,19.008 108.492,17.008
  Top Layer w0.5: R38.1@101.126,12.952 104.335,12.952 C15.2@104.682,13.299 106.399,13.299 106.7,13.6 106.7,15.2 107.372,15.872 R37.2@108.492,15.872 108.492,17.008
  Bottom Layer w0.25: v1(62.3,32.6) 62.5,32.4 62.7,32.6 62.9,32.4 v1(67.1,32.4) ; v1(62.3,39.1) 66.141,39.1 66.541,39.5 66.641,39.4 66.841,39.6 v1(66.9,39.6)
BUT_IN_1: D1.2 J1.10 | length 6.2
  Top Layer w0.5: J1.10@139.46,14.54 139.46,17.46 140,18 D1.2@140,20.53
BUT_IN_2: D3.2 J1.12 | length 6.4
  Top Layer w0.5: J1.12@142,14.54 142,17.5 143,18.5 D3.2@143,20.53
BUT_IN_3: D4.2 J1.14 | length 6.6
  Top Layer w0.5: J1.14@144.54,14.54 144.54,17.04 146,18.5 D4.2@146,20.53
BUT_IN_4: D7.2 J1.16 | length 6.8
  Top Layer w0.5: J1.16@147.08,14.54 147.08,16.08 149,18 D7.2@149,20.53
BUT_IN_5: D8.2 J1.18 | length 7
  Top Layer w0.5: J1.18@149.62,14.54 149.62,16.12 152.148,18.648 D8.2@152.148,20.53
BUT_IN_6: D9.2 J1.20 | length 7.2
  Top Layer w0.5: J1.20@152.16,14.54 152.16,16.16 155.156,19.156 D9.2@155.156,20.53
BUZZER: R56.2 U7.46 | length 41.7
  Top Layer w0.25: v1(54.6,80) 55.1,79.5 57.667,76.933 64.118,70.482 U7.46@64.118,53.083
  Bottom Layer w0.25: v1(44.5,78.3) 46.2,80 v1(54.6,80)
DEBUG_UART_RX: debug1.2 U7.13 | length 11.5
  Top Layer w0.25: U7.13@69.118,41.983 69.118,40.382 71.3,38.2 75.3,38.2 debug1.2@77.3,36.2
DEBUG_UART_TX: debug1.1 U7.12 | length 13.2
  Top Layer w0.25: U7.12@68.618,41.983 68.618,40.082 72.9,35.8 75.16,35.8 debug1.1@77.3,33.66
ENCODER_A: encoder1.3 R58.1 U7.15 | length 30.9
  Top Layer w0.25: U7.15@70.118,41.983 70.118,40.782 70.6,40.3 v1(72.4,40.3)
  Top Layer w0.5: encoder1.3@50.119,36.334 50.434,36.334 50.7,36.6 51.6,36.6 52.207,37.207 R58.1@52.977,37.207
  Bottom Layer w0.25: encoder1.3@50.119,36.334 50.253,36.2 68,36.2 72.1,40.3 v1(72.4,40.3)
ENCODER_B: encoder1.4 R57.1 U7.16 | length 42.5
  Top Layer w0.25: U7.16@70.618,41.983 74.917,41.983 v1(75,41.9)
  Top Layer w0.5: encoder1.4@50.119,34.334 52.898,34.334 R57.1@52.977,34.413
  Bottom Layer w0.25: encoder1.4@50.119,34.334 57.866,34.334 60.9,31.3 72.4,31.3 75,33.9 v1(75,41.9)
ERROR_ABOVE: H3.1 R33.1 U6.4 | length 15.9
  Top Layer w1: U6.4@27.149,103.109 26.091,103.109 24.2,105 24.2,107.8 25.477,109.077 R33.1@26.953,109.077 26.953,112.153 H3.1@29.048,114.248
ERROR_BELOW: H4.1 R39.1 U8.4 | length 17.1
  Top Layer w1: U8.4@35.023,103.109 33.591,103.109 32.4,104.3 32.4,107.6 33.877,109.077 R39.1@34.827,109.077 34.827,109.827 39.248,114.248 H4.1@39.924,114.248